# Allegro board 1281021_HW-FMC-XM500_Rev1_0.brd (continued)
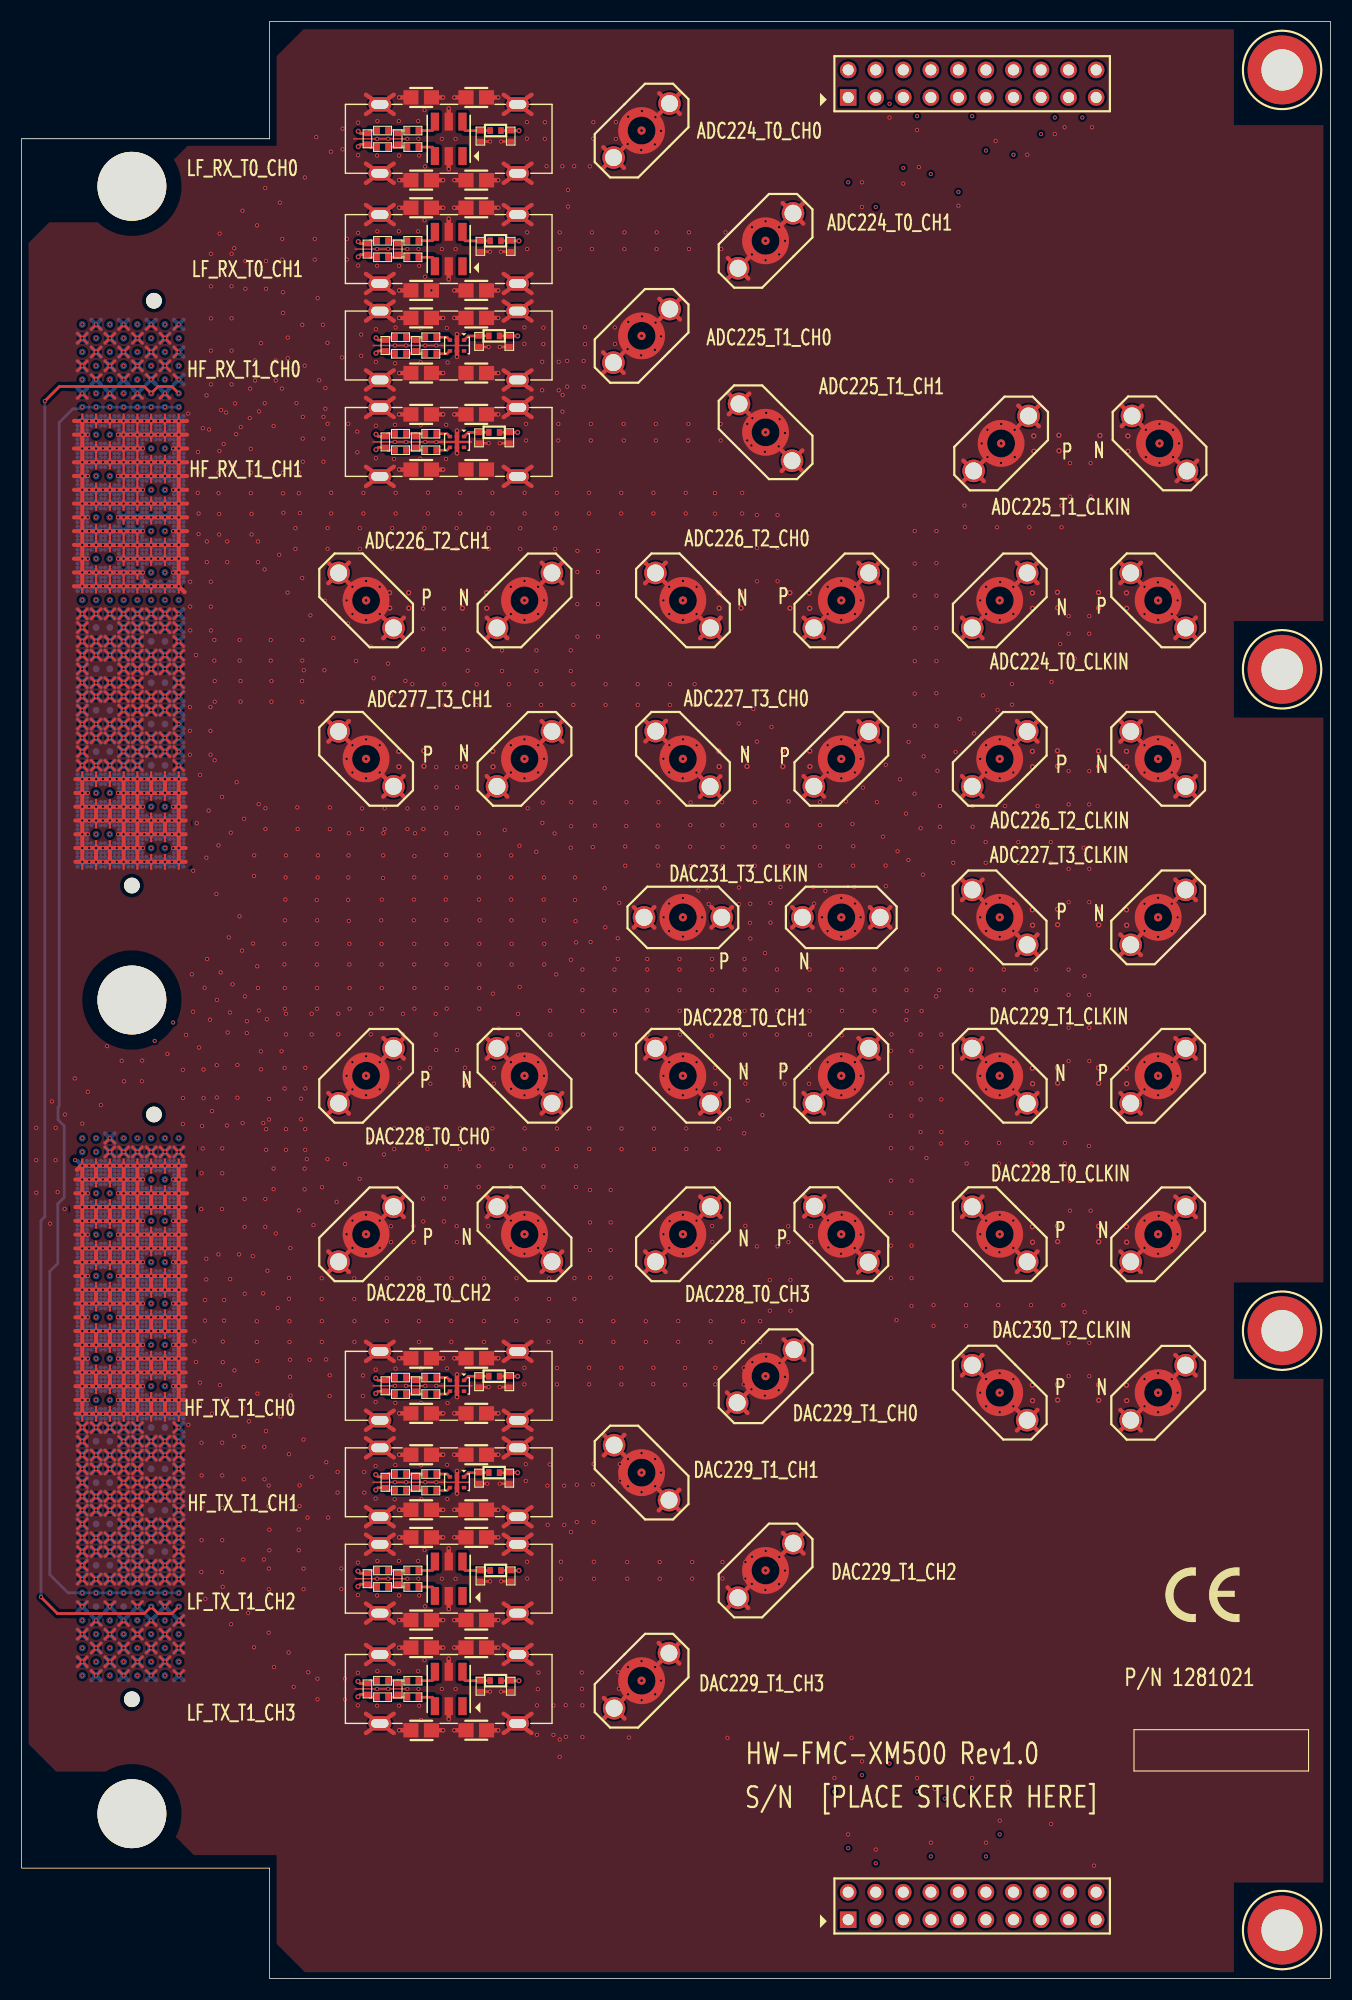
[diagram p0: board, top side]
## Routing (per net, layer and track width the routed paths; a pad name or vN(x,y) marks a point on that pad's centre or on a via; arc(x,y) is an arc through that point) (continued)
  L02_GND/RF-SIG w0.381: 7.79,47.3 v2(8.13,46.96) ; v2(8.13,46.96) 7.79,46.61 ; v2(8.13,46.96) 8.47,46.61 ; v2(8.13,46.96) 8.47,47.3 ; 7.79,118.49 v2(8.13,118.14) ; v2(8.13,118.14) 8.47,117.8 ; v2(8.13,118.14) 7.79,117.8 ; v2(8.13,118.14) 8.47,118.49 ; v2(5.59,125.76) 5.93,126.11 ; v2(5.59,125.76) 5.25,125.42 ; v2(5.59,125.76) 5.25,126.11 ; v2(5.59,125.76) 5.93,125.42 ; 91.43,129.53 J31.2 ; J31.2 92.7,130.8 ; J31.2 93.97,129.53 ; J31.2 92.7,128.26 ; v2(11.94,125.76) 12.28,125.42 ; v2(11.94,125.76) 11.6,126.11 ; v2(11.94,125.76) 12.28,126.11 ; v2(11.94,125.76) 11.6,125.42 ; v2(14.48,118.14) 14.82,117.8 ; v2(14.48,118.14) 14.14,118.49 ; v2(14.48,118.14) 14.14,117.8 ; v2(14.48,118.14) 14.82,118.49 ; J3.3 67.32,157.61 ; J3.3 64.78,157.61 ; J3.3 66.05,156.34 ; J3.3 66.05,158.89 ; v2(5.59,40.61) 5.93,40.95 ; v2(5.59,40.61) 5.25,40.95 ; v2(5.59,40.61) 5.93,40.26 ; v2(5.59,40.61) 5.25,40.26 ; 87.64,84.45 J895.2 ; J895.2 86.37,85.72 ; J895.2 87.64,86.99 ; J895.2 88.91,85.72 ; 12.87,49.15 v2(13.21,49.5) ; v2(13.21,49.5) 13.55,49.15 ; v2(13.21,49.5) 12.87,49.84 ; v2(13.21,49.5) 13.55,49.84 ; 102.24,128.26 J30.2 ; J30.2 100.97,129.53 ; J30.2 103.51,129.53 ; J30.2 102.24,130.8 ; v2(14.48,48.23) 14.82,48.57 ; v2(14.48,48.23) 14.14,47.88 ; v2(14.48,48.23) 14.82,47.88 ; v2(14.48,48.23) 14.14,48.57 ; 65.96,51.78 J7.3 ; J7.3 65.96,54.33 ; J7.3 64.69,53.05 ; J7.3 67.24,53.05 ; 7.79,148.28 v2(8.13,148.62) ; v2(8.13,148.62) 8.47,148.97 ; v2(8.13,148.62) 7.79,148.97 ; v2(8.13,148.62) 8.47,148.28 ; 12.87,76.51 v2(13.21,76.17) ; v2(13.21,76.17) 13.55,76.51 ; v2(13.21,76.17) 12.87,75.82 ; v2(13.21,76.17) 13.55,75.82 ; J3.2 71.11,163.95 ; J3.2 69.84,162.68 ; J3.2 72.38,162.68 ; J3.2 71.11,161.41 ; 14.14,38.99 v2(14.48,39.34) ; v2(14.48,39.34) 14.82,38.99 ; v2(14.48,39.34) 14.82,39.68 ; v2(14.48,39.34) 14.14,39.68 ; RFCAGE2.4 34.3,40 ; RFCAGE2.4 33.02,39.11 ; RFCAGE2.4 31.74,40 ; RFCAGE2.4 33.02,40.9 ; 5.25,123.57 v2(5.59,123.22) ; v2(5.59,123.22) 5.25,122.88 ; v2(5.59,123.22) 5.93,123.57 ; v2(5.59,123.22) 5.93,122.88 ; v2(11.94,116.87) 12.28,116.53 ; v2(11.94,116.87) 12.28,117.22 ; v2(11.94,116.87) 11.6,116.53 ; v2(11.94,116.87) 11.6,117.22 ; v2(10.67,115.6) 11.01,115.95 ; v2(10.67,115.6) 10.33,115.95 ; v2(10.67,115.6) 11.01,115.26 ; v2(10.67,115.6) 10.33,115.26 ; 43.82,69.84 J23.3 ; J23.3 45.09,71.11 ; J23.3 43.82,72.38 ; J23.3 42.55,71.11 ; 6.52,125.42 v2(6.86,125.76) ; v2(6.86,125.76) 6.52,126.11 ; v2(6.86,125.76) 7.2,126.11 ; v2(6.86,125.76) 7.2,125.42 ; v2(13.21,121.95) 13.55,121.61 ; v2(13.21,121.95) 13.55,122.3 ; v2(13.21,121.95) 12.87,121.61 ; v2(13.21,121.95) 12.87,122.3 ; RFCAGE2.3 45.72,40.9 ; RFCAGE2.3 44.44,40 ; RFCAGE2.3 47,40 ; RFCAGE2.3 45.72,39.11 ; J4.2 59.73,174.07 ; J4.2 61,172.79 ; J4.2 59.73,171.52 ; J4.2 58.45,172.79 ; 58.45,113.68 J36.3 ; J36.3 58.45,116.22 ; J36.3 57.18,114.95 ; J36.3 59.72,114.95 ; 11.6,32.64 v2(11.94,32.99) ; v2(11.94,32.99) 12.28,32.64 ; v2(11.94,32.99) 12.28,33.33 ; v2(11.94,32.99) 11.6,33.33 ; RFCAGE1.4 33.02,30.74 ; RFCAGE1.4 33.02,28.95 ; RFCAGE1.4 34.3,29.84 ; RFCAGE1.4 31.74,29.84 ; v2(8.13,36.8) 8.47,36.45 ; v2(8.13,36.8) 7.79,36.45 ; v2(8.13,36.8) 8.47,37.14 ; v2(8.13,36.8) 7.79,37.14 ; v2(9.4,49.5) 9.74,49.15 ; v2(9.4,49.5) 9.74,49.84 ; v2(9.4,49.5) 9.06,49.15 ; v2(9.4,49.5) 9.06,49.84 ; J897.2 102.24,52.71 ; J897.2 103.51,51.44 ; J897.2 102.24,50.17 ; J897.2 100.97,51.44 ; v2(5.59,111.79) 5.93,111.45 ; v2(5.59,111.79) 5.25,112.14 ; v2(5.59,111.79) 5.25,111.45 ; v2(5.59,111.79) 5.93,112.14 ; 7.79,42.8 v2(8.13,43.15) ; v2(8.13,43.15) 8.47,42.8 ; v2(8.13,43.15) 8.47,43.49 ; v2(8.13,43.15) 7.79,43.49 ; 6.52,149.55 v2(6.86,149.89) ; v2(6.86,149.89) 6.52,150.24 ; v2(6.86,149.89) 7.2,150.24 ; v2(6.86,149.89) 7.2,149.55 ; 102.37,142.73 J890.2 ; J890.2 102.37,145.27 ; J890.2 103.64,144 ; J890.2 101.1,144 ; v2(14.48,120.68) 14.82,120.34 ; v2(14.48,120.68) 14.82,121.03 ; v2(14.48,120.68) 14.14,120.34 ; v2(14.48,120.68) 14.14,121.03 ; 73.08,69.89 J24.3 ; J24.3 71.81,71.16 ; J24.3 74.35,71.16 ; J24.3 73.08,72.43 ; 6.52,112.14 v2(6.86,111.79) ; v2(6.86,111.79) 6.52,111.45 ; v2(6.86,111.79) 7.2,111.45 ; v2(6.86,111.79) 7.2,112.14 ; 10.33,46.03 v2(10.67,45.69) ; v2(10.67,45.69) 11.01,46.03 ; v2(10.67,45.69) 11.01,45.34 ; v2(10.67,45.69) 10.33,45.34 ; J40.3 50.16,114.93 ; J40.3 47.62,114.93 ; J40.3 48.89,116.2 ; J40.3 48.89,113.66 ; 12.87,36.45 v2(13.21,36.8) ; v2(13.21,36.8) 13.55,37.14 ; v2(13.21,36.8) 13.55,36.45 ; v2(13.21,36.8) 12.87,37.14 ; 9.06,37.72 v2(9.4,38.07) ; v2(9.4,38.07) 9.74,37.72 ; v2(9.4,38.07) 9.06,38.41 ; v2(9.4,38.07) 9.74,38.41 ; 10.33,145.74 v2(10.67,146.08) ; v2(10.67,146.08) 11.01,145.74 ; v2(10.67,146.08) 11.01,146.43 ; v2(10.67,146.08) 10.33,146.43 ; 33.02,161.67 RFCAGE7.4 ; RFCAGE7.4 34.3,162.56 ; RFCAGE7.4 31.74,162.56 ; RFCAGE7.4 33.02,163.45 ; 31.74,156.21 RFCAGE7.1 ; RFCAGE7.1 33.02,155.32 ; RFCAGE7.1 34.3,156.21 ; RFCAGE7.1 33.02,157.1 ; J39.2 30.49,114.93 ; J39.2 27.95,114.93 ; J39.2 29.22,116.2 ; J39.2 29.22,113.66 ; RFCAGE5.2 47,138.43 ; RFCAGE5.2 45.72,137.54 ; RFCAGE5.2 44.44,138.43 ; RFCAGE5.2 45.72,139.32 ; RFCAGE4.2 47,51.44 ; RFCAGE4.2 45.72,50.54 ; RFCAGE4.2 44.44,51.44 ; RFCAGE4.2 45.72,52.33 ; v2(5.59,43.15) 5.93,42.8 ; v2(5.59,43.15) 5.93,43.49 ; v2(5.59,43.15) 5.25,43.49 ; v2(5.59,43.15) 5.25,42.8 ; 5.25,113.41 v2(5.59,113.06) ; v2(5.59,113.06) 5.25,112.72 ; v2(5.59,113.06) 5.93,112.72 ; v2(5.59,113.06) 5.93,113.41 ; v2(9.4,115.6) 9.74,115.95 ; v2(9.4,115.6) 9.74,115.26 ; v2(9.4,115.6) 9.06,115.26 ; v2(9.4,115.6) 9.06,115.95 ; v2(14.48,152.43) 14.82,152.78 ; v2(14.48,152.43) 14.14,152.09 ; v2(14.48,152.43) 14.82,152.09 ; v2(14.48,152.43) 14.14,152.78 ; 6.52,118.49 v2(6.86,118.14) ; v2(6.86,118.14) 6.52,117.8 ; v2(6.86,118.14) 7.2,118.49 ; v2(6.86,118.14) 7.2,117.8 ; 12.87,41.53 v2(13.21,41.88) ; v2(13.21,41.88) 13.55,41.53 ; v2(13.21,41.88) 12.87,42.22 ; v2(13.21,41.88) 13.55,42.22 ; J892.3 102.24,96.53 ; J892.3 102.24,93.99 ; J892.3 100.97,95.26 ; J892.3 103.51,95.26 ; v2(10.67,124.49) 11.01,124.84 ; v2(10.67,124.49) 10.33,124.15 ; v2(10.67,124.49) 11.01,124.15 ; v2(10.67,124.49) 10.33,124.84 ; 6.52,30.79 v2(6.86,30.45) ; v2(6.86,30.45) 7.2,30.79 ; v2(6.86,30.45) 7.2,30.1 ; v2(6.86,30.45) 6.52,30.1 ; v2(8.13,50.77) 8.47,50.42 ; v2(8.13,50.77) 7.79,50.42 ; v2(8.13,50.77) 7.79,51.11 ; v2(8.13,50.77) 8.47,51.11 ; 9.06,28.25 v2(9.4,27.91) ; v2(9.4,27.91) 9.06,27.56 ; v2(9.4,27.91) 9.74,27.56 ; v2(9.4,27.91) 9.74,28.25 ; J22.2 30.49,66.05 ; J22.2 29.22,64.78 ; J22.2 29.22,67.32 ; J22.2 27.95,66.05 ; v2(10.67,151.16) 11.01,150.82 ; v2(10.67,151.16) 10.33,150.82 ; v2(10.67,151.16) 11.01,151.51 ; v2(10.67,151.16) 10.33,151.51 ; 11.6,113.99 v2(11.94,114.33) ; v2(11.94,114.33) 11.6,114.68 ; v2(11.94,114.33) 12.28,113.99 ; v2(11.94,114.33) 12.28,114.68 ; v2(10.67,49.5) 11.01,49.15 ; v2(10.67,49.5) 10.33,49.15 ; v2(10.67,49.5) 11.01,49.84 ; v2(10.67,49.5) 10.33,49.84 ; v2(10.67,111.79) 11.01,112.14 ; v2(10.67,111.79) 11.01,111.45 ; v2(10.67,111.79) 10.33,112.14 ; v2(10.67,111.79) 10.33,111.45 ; v2(9.4,124.49) 9.74,124.15 ; v2(9.4,124.49) 9.06,124.15 ; v2(9.4,124.49) 9.06,124.84 ; v2(9.4,124.49) 9.74,124.84 ; 5.25,117.8 v2(5.59,118.14) ; v2(5.59,118.14) 5.25,118.49 ; v2(5.59,118.14) 5.93,118.49 ; v2(5.59,118.14) 5.93,117.8 ; v2(14.48,76.17) 14.82,76.51 ; v2(14.48,76.17) 14.14,76.51 ; v2(14.48,76.17) 14.82,75.82 ; v2(14.48,76.17) 14.14,75.82 ; v2(8.13,114.33) 8.47,113.99 ; v2(8.13,114.33) 8.47,114.68 ; v2(8.13,114.33) 7.79,113.99 ; v2(8.13,114.33) 7.79,114.68 ; 63.49,69.84 J25.2 ; J25.2 63.49,72.38 ; J25.2 64.76,71.11 ; J25.2 62.22,71.11 ; 9.06,117.22 v2(9.4,116.87) ; v2(9.4,116.87) 9.06,116.53 ; v2(9.4,116.87) 9.74,117.22 ; v2(9.4,116.87) 9.74,116.53 ; v2(14.48,147.35) 14.82,147.01 ; v2(14.48,147.35) 14.82,147.7 ; v2(14.48,147.35) 14.14,147.7 ; v2(14.48,147.35) 14.14,147.01 ; v2(8.13,125.76) 8.47,125.42 ; v2(8.13,125.76) 7.79,125.42 ; v2(8.13,125.76) 7.79,126.11 ; v2(8.13,125.76) 8.47,126.11 ; 31.74,172.72 RFCAGE8.4 ; RFCAGE8.4 33.02,171.83 ; RFCAGE8.4 34.3,172.72 ; RFCAGE8.4 33.02,173.61 ; v2(10.67,36.8) 11.01,37.14 ; v2(10.67,36.8) 11.01,36.45 ; v2(10.67,36.8) 10.33,37.14 ; v2(10.67,36.8) 10.33,36.45 ; v2(9.4,50.77) 9.74,51.11 ; v2(9.4,50.77) 9.06,51.11 ; v2(9.4,50.77) 9.74,50.42 ; v2(9.4,50.77) 9.06,50.42 ; v2(14.48,40.61) 14.82,40.26 ; v2(14.48,40.61) 14.82,40.95 ; v2(14.48,40.61) 14.14,40.95 ; v2(14.48,40.61) 14.14,40.26 ; 6.52,38.99 v2(6.86,39.34) ; v2(6.86,39.34) 7.2,39.68 ; v2(6.86,39.34) 6.52,39.68 ; v2(6.86,39.34) 7.2,38.99 ; J897.3 108.58,56.51 ; J897.3 107.31,57.78 ; J897.3 107.31,55.24 ; J897.3 106.04,56.51 ; 43.82,123.2 J35.2 ; J35.2 43.82,125.74 ; J35.2 45.09,124.47 ; J35.2 42.55,124.47 ; v2(10.67,43.15) 11.01,43.49 ; v2(10.67,43.15) 10.33,43.49 ; v2(10.67,43.15) 10.33,42.8 ; v2(10.67,43.15) 11.01,42.8 ; 7.79,122.3 v2(8.13,121.95) ; v2(8.13,121.95) 8.47,121.61 ; v2(8.13,121.95) 8.47,122.3 ; v2(8.13,121.95) 7.79,121.61 ; 53.35,24.89 J6.3 ; J6.3 55.89,24.89 ; J6.3 54.62,26.17 ; J6.3 54.62,23.62 ; v2(14.48,27.91) 14.82,28.25 ; v2(14.48,27.91) 14.14,28.25 ; v2(14.48,27.91) 14.82,27.56 ; v2(14.48,27.91) 14.14,27.56 ; v2(11.94,152.43) 12.28,152.78 ; v2(11.94,152.43) 11.6,152.78 ; v2(11.94,152.43) 12.28,152.09 ; v2(11.94,152.43) 11.6,152.09 ; 86.37,56.51 J898.2 ; J898.2 88.91,56.51 ; J898.2 87.64,55.24 ; J898.2 87.64,57.78 ; 44.44,162.56 RFCAGE7.3 ; RFCAGE7.3 45.72,161.67 ; RFCAGE7.3 47,162.56 ; RFCAGE7.3 45.72,163.45 ; v2(13.21,40.61) 13.55,40.26 ; v2(13.21,40.61) 12.87,40.95 ; v2(13.21,40.61) 13.55,40.95 ; v2(13.21,40.61) 12.87,40.26 ; J29.2 103.51,66.05 ; J29.2 100.97,66.05 ; J29.2 102.24,67.32 ; J29.2 102.24,64.78 ; J23.2 48.89,67.32 ; J23.2 47.62,66.05 ; J23.2 48.89,64.78 ; J23.2 50.16,66.05 ; 11.6,76.51 v2(11.94,76.17) ; v2(11.94,76.17) 12.28,76.51 ; v2(11.94,76.17) 11.6,75.82 ; v2(11.94,76.17) 12.28,75.82 ; v2(13.21,44.42) 13.55,44.76 ; v2(13.21,44.42) 12.87,44.07 ; v2(13.21,44.42) 12.87,44.76 ; v2(13.21,44.42) 13.55,44.07 ; 10.33,42.22 v2(10.67,41.88) ; v2(10.67,41.88) 11.01,42.22 ; v2(10.67,41.88) 10.33,41.53 ; v2(10.67,41.88) 11.01,41.53 ; v2(10.67,125.76) 11.01,126.11 ; v2(10.67,125.76) 10.33,126.11 ; v2(10.67,125.76) 10.33,125.42 ; v2(10.67,125.76) 11.01,125.42 ; 78.05,64.73 J24.2 ; J24.2 78.05,67.27 ; J24.2 79.32,66 ; J24.2 76.78,66 ; J891.3 88.91,100.32 ; J891.3 87.64,101.59 ; J891.3 87.64,99.05 ; J891.3 86.37,100.32 ; 78.1,84.45 J20.2 ; J20.2 78.1,86.99 ; J20.2 79.37,85.72 ; J20.2 76.83,85.72 ; 12.87,28.83 v2(13.21,29.18) ; v2(13.21,29.18) 12.87,29.52 ; v2(13.21,29.18) 13.55,28.83 ; v2(13.21,29.18) 13.55,29.52 ; v2(11.94,121.95) 12.28,121.61 ; v2(11.94,121.95) 11.6,121.61 ; v2(11.94,121.95) 11.6,122.3 ; v2(11.94,121.95) 12.28,122.3 ; 56.11,97.79 J900.2 ; J900.2 57.38,96.52 ; J900.2 57.38,99.06 ; J900.2 58.65,97.79 ; v2(8.13,119.41) 8.47,119.07 ; v2(8.13,119.41) 7.79,119.76 ; v2(8.13,119.41) 8.47,119.76 ; v2(8.13,119.41) 7.79,119.07 ; v2(5.59,29.18) 5.93,28.83 ; v2(5.59,29.18) 5.25,29.52 ; v2(5.59,29.18) 5.25,28.83 ; v2(5.59,29.18) 5.93,29.52 ; v2(11.94,44.42) 12.28,44.07 ; v2(11.94,44.42) 12.28,44.76 ; v2(11.94,44.42) 11.6,44.07 ; v2(11.94,44.42) 11.6,44.76 ; J895.3 92.7,81.92 ; J895.3 92.7,79.38 ; J895.3 93.97,80.65 ; J895.3 91.43,80.65 ; v2(8.13,44.42) 8.47,44.07 ; v2(8.13,44.42) 7.79,44.76 ; v2(8.13,44.42) 7.79,44.07 ; v2(8.13,44.42) 8.47,44.76 ; v2(9.4,152.43) 9.74,152.78 ; v2(9.4,152.43) 9.06,152.09 ; v2(9.4,152.43) 9.74,152.09 ; v2(9.4,152.43) 9.06,152.78 ; v2(14.48,124.49) 14.82,124.15 ; v2(14.48,124.49) 14.14,124.84 ; v2(14.48,124.49) 14.14,124.15 ; v2(14.48,124.49) 14.82,124.84 ; 5.25,48.57 v2(5.59,48.23) ; v2(5.59,48.23) 5.93,48.57 ; v2(5.59,48.23) 5.25,47.88 ; v2(5.59,48.23) 5.93,47.88 ; v2(13.21,116.87) 13.55,117.22 ; v2(13.21,116.87) 12.87,116.53 ; v2(13.21,116.87) 12.87,117.22 ; v2(13.21,116.87) 13.55,116.53 ; RFCAGE4.3 45.72,58.68 ; RFCAGE4.3 45.72,56.89 ; RFCAGE4.3 44.44,57.78 ; RFCAGE4.3 47,57.78 ; v2(8.13,34.26) 8.47,34.6 ; v2(8.13,34.26) 8.47,33.91 ; v2(8.13,34.26) 7.79,34.6 ; v2(8.13,34.26) 7.79,33.91 ; 11.6,120.34 v2(11.94,120.68) ; v2(11.94,120.68) 11.6,121.03 ; v2(11.94,120.68) 12.28,120.34 ; v2(11.94,120.68) 12.28,121.03 ; J8.3 55.89,49.14 ; J8.3 54.62,47.87 ; J8.3 53.35,49.14 ; J8.3 54.62,50.41 ; J899.3 80.42,97.79 ; J899.3 77.87,97.79 ; J899.3 79.15,96.52 ; J899.3 79.15,99.06 ; 6.52,33.33 v2(6.86,32.99) ; v2(6.86,32.99) 7.2,33.33 ; v2(6.86,32.99) 6.52,32.64 ; v2(6.86,32.99) 7.2,32.64 ; 43.82,108.59 J40.2 ; J40.2 45.09,109.86 ; J40.2 42.55,109.86 ; J40.2 43.82,111.13 ; 5.25,51.11 v2(5.59,50.77) ; v2(5.59,50.77) 5.93,51.11 ; v2(5.59,50.77) 5.93,50.42 ; v2(5.59,50.77) 5.25,50.42 ; 33.02,56.89 RFCAGE4.4 ; RFCAGE4.4 31.74,57.78 ; RFCAGE4.4 34.3,57.78 ; RFCAGE4.4 33.02,58.68 ; v2(11.94,40.61) 12.28,40.95 ; v2(11.94,40.61) 11.6,40.95 ; v2(11.94,40.61) 11.6,40.26 ; v2(11.94,40.61) 12.28,40.26 ; v2(14.48,121.95) 14.82,121.61 ; v2(14.48,121.95) 14.14,121.61 ; v2(14.48,121.95) 14.14,122.3 ; v2(14.48,121.95) 14.82,122.3 ; 10.33,46.61 v2(10.67,46.96) ; v2(10.67,46.96) 11.01,46.61 ; v2(10.67,46.96) 10.33,47.3 ; v2(10.67,46.96) 11.01,47.3 ; 10.33,40.26 v2(10.67,40.61) ; v2(10.67,40.61) 11.01,40.26 ; v2(10.67,40.61) 11.01,40.95 ; v2(10.67,40.61) 10.33,40.95 ; 107.31,84.45 J896.3 ; J896.3 107.31,86.99 ; J896.3 108.58,85.72 ; J896.3 106.04,85.72 ; 9.06,119.76 v2(9.4,119.41) ; v2(9.4,119.41) 9.74,119.76 ; v2(9.4,119.41) 9.74,119.07 ; v2(9.4,119.41) 9.06,119.07 ; v2(9.4,48.23) 9.74,48.57 ; v2(9.4,48.23) 9.06,48.57 ; v2(9.4,48.23) 9.06,47.88 ; v2(9.4,48.23) 9.74,47.88 ; v2(5.59,121.95) 5.93,122.3 ; v2(5.59,121.95) 5.93,121.61 ; v2(5.59,121.95) 5.25,122.3 ; v2(5.59,121.95) 5.25,121.61 ; 7.79,32.06 v2(8.13,31.72) ; v2(8.13,31.72) 8.47,32.06 ; v2(8.13,31.72) 7.79,31.37 ; v2(8.13,31.72) 8.47,31.37 ; v2(14.48,149.89) 14.82,150.24 ; v2(14.48,149.89) 14.82,149.55 ; v2(14.48,149.89) 14.14,149.55 ; v2(14.48,149.89) 14.14,150.24 ; 12.87,148.28 v2(13.21,148.62) ; v2(13.21,148.62) 13.55,148.97 ; v2(13.21,148.62) 13.55,148.28 ; v2(13.21,148.62) 12.87,148.97 ; v2(11.94,36.8) 12.28,37.14 ; v2(11.94,36.8) 12.28,36.45 ; v2(11.94,36.8) 11.6,36.45 ; v2(11.94,36.8) 11.6,37.14 ; 10.33,119.76 v2(10.67,119.41) ; v2(10.67,119.41) 11.01,119.07 ; v2(10.67,119.41) 11.01,119.76 ; v2(10.67,119.41) 10.33,119.07 ; v2(9.4,44.42) 9.74,44.76 ; v2(9.4,44.42) 9.06,44.76 ; v2(9.4,44.42) 9.06,44.07 ; v2(9.4,44.42) 9.74,44.07 ; v2(11.94,48.23) 12.28,47.88 ; v2(11.94,48.23) 11.6,47.88 ; v2(11.94,48.23) 11.6,48.57 ; v2(11.94,48.23) 12.28,48.57 ; 9.06,47.3 v2(9.4,46.96) ; v2(9.4,46.96) 9.06,46.61 ; v2(9.4,46.96) 9.74,46.61 ; v2(9.4,46.96) 9.74,47.3 ; v2(9.4,111.79) 9.74,112.14 ; v2(9.4,111.79) 9.06,111.45 ; v2(9.4,111.79) 9.74,111.45 ; v2(9.4,111.79) 9.06,112.14 ; 12.87,151.51 v2(13.21,151.16) ; v2(13.21,151.16) 13.55,150.82 ; v2(13.21,151.16) 13.55,151.51 ; v2(13.21,151.16) 12.87,150.82 ; v2(6.86,115.6) 7.2,115.95 ; v2(6.86,115.6) 7.2,115.26 ; v2(6.86,115.6) 6.52,115.95 ; v2(6.86,115.6) 6.52,115.26 ; J899.2 71.98,99.06 ; J899.2 71.98,96.52 ; J899.2 73.26,97.79 ; J899.2 70.71,97.79 ; RFCAGE8.2 45.72,167.26 ; RFCAGE8.2 47,166.37 ; RFCAGE8.2 45.72,165.48 ; RFCAGE8.2 44.44,166.37 ; J2.2 59.75,155.12 ; J2.2 58.47,153.85 ; J2.2 59.75,152.58 ; J2.2 61.02,153.85 ; 9.06,36.45 v2(9.4,36.8) ; v2(9.4,36.8) 9.74,37.14 ; v2(9.4,36.8) 9.74,36.45 ; v2(9.4,36.8) 9.06,37.14 ; 12.87,45.34 v2(13.21,45.69) ; v2(13.21,45.69) 12.87,46.03 ; v2(13.21,45.69) 13.55,45.34 ; v2(13.21,45.69) 13.55,46.03 ; J894.3 107.31,111.13 ; J894.3 108.58,109.86 ; J894.3 107.31,108.59 ; J894.3 106.04,109.86 ; J892.2 107.31,101.59 ; J892.2 107.31,99.05 ; J892.2 106.04,100.32 ; J892.2 108.58,100.32 ; J37.3 73.03,111.13 ; J37.3 74.3,109.86 ; J37.3 71.76,109.86 ; J37.3 73.03,108.59 ; J1.2 67.41,145.11 ; J1.2 66.14,146.39 ; J1.2 66.14,143.84 ; J1.2 64.87,145.11 ; v2(11.94,45.69) 12.28,45.34 ; v2(11.94,45.69) 11.6,46.03 ; v2(11.94,45.69) 12.28,46.03 ; v2(11.94,45.69) 11.6,45.34 ; v2(5.59,31.72) 5.93,31.37 ; v2(5.59,31.72) 5.25,31.37 ; v2(5.59,31.72) 5.25,32.06 ; v2(5.59,31.72) 5.93,32.06 ; 45.72,48 RFCAGE3.3 ; RFCAGE3.3 45.72,49.79 ; RFCAGE3.3 44.44,48.9 ; RFCAGE3.3 47,48.9 ; v2(13.21,31.72) 13.55,32.06 ; v2(13.21,31.72) 12.87,31.37 ; v2(13.21,31.72) 12.87,32.06 ; v2(13.21,31.72) 13.55,31.37 ; J27.2 50.16,80.65 ; J27.2 48.89,81.92 ; J27.2 47.62,80.65 ; J27.2 48.89,79.38 ; v2(9.4,118.14) 9.74,118.49 ; v2(9.4,118.14) 9.06,118.49 ; v2(9.4,118.14) 9.06,117.8 ; v2(9.4,118.14) 9.74,117.8 ; RFCAGE6.1 34.3,147.32 ; RFCAGE6.1 33.02,146.43 ; RFCAGE6.1 31.74,147.32 ; RFCAGE6.1 33.02,148.21 ; 9.06,126.11 v2(9.4,125.76) ; v2(9.4,125.76) 9.74,126.11 ; v2(9.4,125.76) 9.74,125.42 ; v2(9.4,125.76) 9.06,125.42 ; v2(5.59,116.87) 5.93,117.22 ; v2(5.59,116.87) 5.25,117.22 ; v2(5.59,116.87) 5.93,116.53 ; v2(5.59,116.87) 5.25,116.53 ; v2(10.67,39.34) 11.01,39.68 ; v2(10.67,39.34) 11.01,38.99 ; v2(10.67,39.34) 10.33,38.99 ; v2(10.67,39.34) 10.33,39.68 ; 14.14,37.14 v2(14.48,36.8) ; v2(14.48,36.8) 14.82,36.45 ; v2(14.48,36.8) 14.82,37.14 ; v2(14.48,36.8) 14.14,36.45 ; v2(6.86,114.33) 7.2,113.99 ; v2(6.86,114.33) 6.52,113.99 ; v2(6.86,114.33) 6.52,114.68 ; v2(6.86,114.33) 7.2,114.68 ; 69.92,57.94 J7.2 ; J7.2 71.2,59.22 ; J7.2 72.47,57.94 ; J7.2 71.2,56.67 ; v2(9.4,45.69) 9.74,45.34 ; v2(9.4,45.69) 9.06,46.03 ; v2(9.4,45.69) 9.06,45.34 ; v2(9.4,45.69) 9.74,46.03 ; J20.3 74.3,80.65 ; J20.3 73.03,79.38 ; J20.3 71.76,80.65 ; J20.3 73.03,81.92 ; 106.04,124.47 J30.3 ; J30.3 108.58,124.47 ; J30.3 107.31,123.2 ; J30.3 107.31,125.74 ; 12.87,48.57 v2(13.21,48.23) ; v2(13.21,48.23) 12.87,47.88 ; v2(13.21,48.23) 13.55,47.88 ; v2(13.21,48.23) 13.55,48.57 ; 5.25,148.97 v2(5.59,148.62) ; v2(5.59,148.62) 5.93,148.97 ; v2(5.59,148.62) 5.25,148.28 ; v2(5.59,148.62) 5.93,148.28 ; v2(6.86,147.35) 7.2,147.01 ; v2(6.86,147.35) 7.2,147.7 ; v2(6.86,147.35) 6.52,147.01 ; v2(6.86,147.35) 6.52,147.7 ; 31.74,138.43 RFCAGE5.1 ; RFCAGE5.1 33.02,139.32 ; RFCAGE5.1 33.02,137.54 ; RFCAGE5.1 34.3,138.43 ; J889.3 92.83,145.27 ; J889.3 91.56,144 ; J889.3 92.83,142.73 ; J889.3 94.1,144 ; v2(11.94,113.06) 12.28,112.72 ; v2(11.94,113.06) 11.6,113.41 ; v2(11.94,113.06) 12.28,113.41 ; v2(11.94,113.06) 11.6,112.72 ; v2(13.21,38.07) 13.55,37.72 ; v2(13.21,38.07) 13.55,38.41 ; v2(13.21,38.07) 12.87,38.41 ; v2(13.21,38.07) 12.87,37.72 ; 44.44,147.32 RFCAGE6.2 ; RFCAGE6.2 47,147.32 ; RFCAGE6.2 45.72,146.43 ; RFCAGE6.2 45.72,148.21 ; 31.74,144.78 RFCAGE5.4 ; RFCAGE5.4 33.02,143.89 ; RFCAGE5.4 34.3,144.78 ; RFCAGE5.4 33.02,145.67 ; 7.79,111.45 v2(8.13,111.79) ; v2(8.13,111.79) 8.47,111.45 ; v2(8.13,111.79) 7.79,112.14 ; v2(8.13,111.79) 8.47,112.14 ; 14.14,46.03 v2(14.48,45.69) ; v2(14.48,45.69) 14.82,46.03 ; v2(14.48,45.69) 14.14,45.34 ; v2(14.48,45.69) 14.82,45.34 ; RFCAGE8.3 45.72,173.61 ; RFCAGE8.3 45.72,171.83 ; RFCAGE8.3 44.44,172.72 ; RFCAGE8.3 47,172.72 ; 14.14,126.11 v2(14.48,125.76) ; v2(14.48,125.76) 14.14,125.42 ; v2(14.48,125.76) 14.82,125.42 ; v2(14.48,125.76) 14.82,126.11 ; 9.06,41.53 v2(9.4,41.88) ; v2(9.4,41.88) 9.06,42.22 ; v2(9.4,41.88) 9.74,42.22 ; v2(9.4,41.88) 9.74,41.53 ; 42.55,85.72 J27.3 ; J27.3 43.82,84.45 ; J27.3 43.82,86.99 ; J27.3 45.09,85.72 ; v2(5.59,151.16) 5.93,150.82 ; v2(5.59,151.16) 5.93,151.51 ; v2(5.59,151.16) 5.25,150.82 ; v2(5.59,151.16) 5.25,151.51 ; v2(13.21,34.26) 13.55,33.91 ; v2(13.21,34.26) 12.87,34.6 ; v2(13.21,34.26) 12.87,33.91 ; v2(13.21,34.26) 13.55,34.6 ; J21.3 59.7,85.72 ; J21.3 57.16,85.72 ; J21.3 58.43,86.99 ; J21.3 58.43,84.45 ; J893.3 88.91,109.86 ; J893.3 86.37,109.86 ; J893.3 87.64,111.13 ; J893.3 87.64,108.59 ; RFCAGE8.1 33.02,167.26 ; RFCAGE8.1 33.02,165.48 ; RFCAGE8.1 34.3,166.37 ; RFCAGE8.1 31.74,166.37 ; 14.14,32.64 v2(14.48,32.99) ; v2(14.48,32.99) 14.82,33.33 ; v2(14.48,32.99) 14.82,32.64 ; v2(14.48,32.99) 14.14,33.33 ; 9.06,113.41 v2(9.4,113.06) ; v2(9.4,113.06) 9.74,112.72 ; v2(9.4,113.06) 9.06,112.72 ; v2(9.4,113.06) 9.74,113.41 ; J21.2 64.76,80.65 ; J21.2 62.22,80.65 ; J21.2 63.49,81.92 ; J21.2 63.49,79.38 ; 86.37,124.47 J31.3 ; J31.3 87.64,123.2 ; J31.3 87.64,125.74 ; J31.3 88.91,124.47 ; 9.06,147.7 v2(9.4,147.35) ; v2(9.4,147.35) 9.74,147.01 ; v2(9.4,147.35) 9.06,147.01 ; v2(9.4,147.35) 9.74,147.7 ; J37.2 78.1,116.2 ; J37.2 76.83,114.93 